# KiCad board FreeDSP_INTEGRA_QUAD-PRO.kicad_pcb (continued)
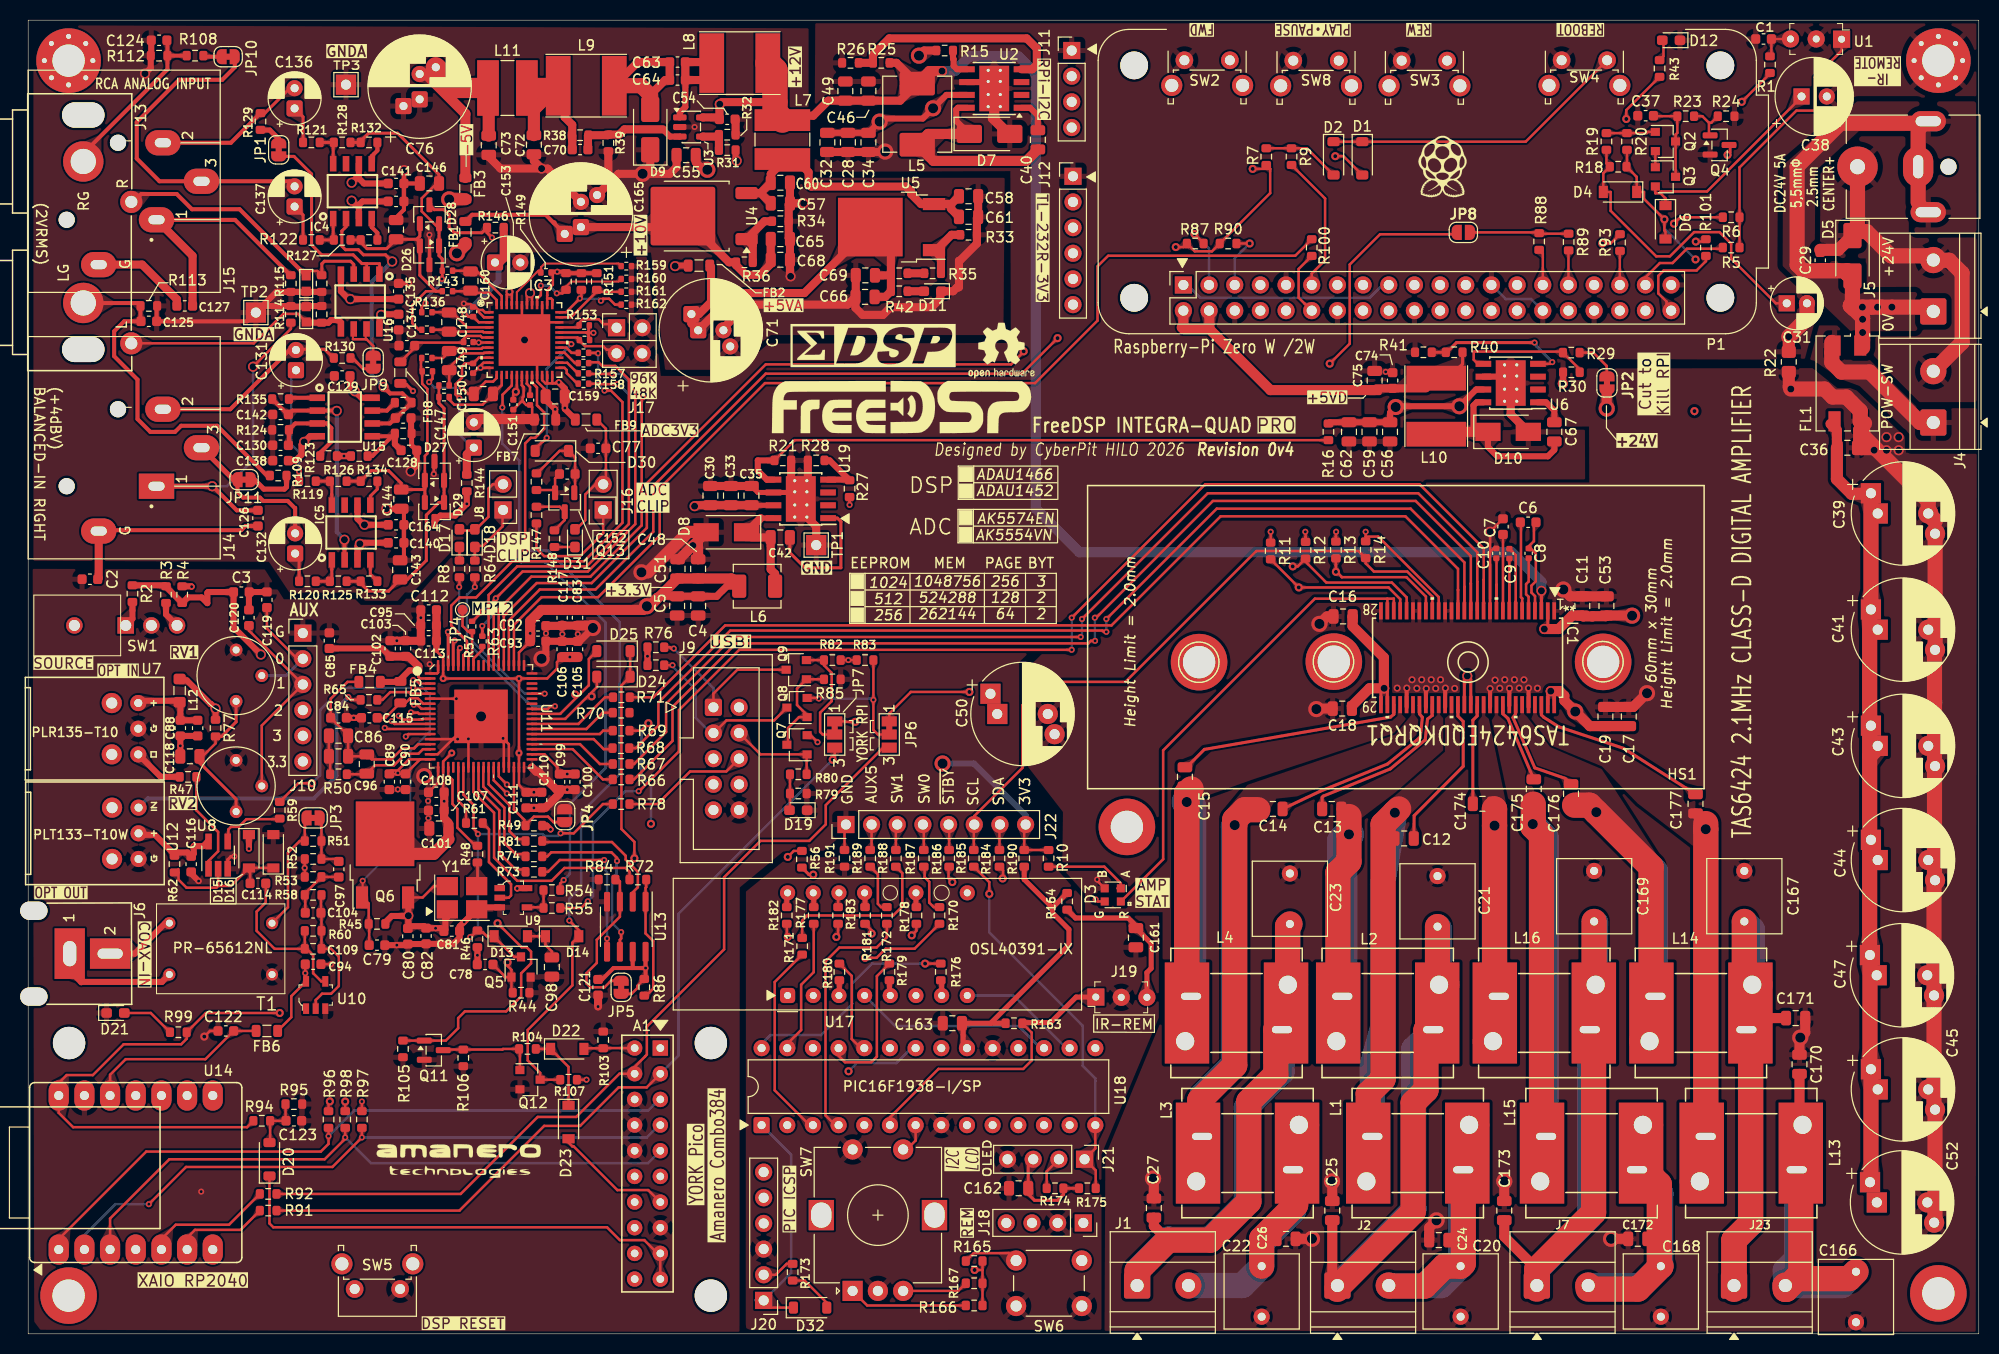
[diagram p0: board, top side]
## Nets (continued)
Net-(IC1-BST_4P): C177.1 IC1.54
Net-(IC1-OUT_1M): C15.1 IC1.32 L4.1
Net-(IC1-OUT_1P): C14.2 IC1.34 L3.1
Net-(IC1-OUT_2M): C13.1 IC1.38 L2.1
Net-(IC1-OUT_2P): C12.2 IC1.40 L1.1
Net-(IC1-OUT_3M): C174.2 IC1.45 L16.1
Net-(IC1-OUT_3P): C175.2 IC1.47 L15.1
Net-(IC1-OUT_4M): C176.2 IC1.51 L14.1
Net-(IC1-OUT_4P): C177.2 IC1.53 L13.1
Net-(IC1-VCOM): C6.2 IC1.6
Net-(IC1-VREG): C8.2 IC1.5
Net-(IC3-AIN1N): C160.1 IC3.48 R143.2
Net-(IC3-AIN1P): C160.2 IC3.47 R142.2
Net-(IC3-AIN2N): C148.1 IC3.4 R136.2
Net-(IC3-AIN2P): C148.2 IC3.5 R137.2
Net-(IC3-AIN3N): C149.2 IC3.9 R139.2
Net-(IC3-AIN3P): C149.1 IC3.8 R138.2
Net-(IC3-AIN4N): C150.1 IC3.13 R140.2
Net-(IC3-AIN4P): C150.2 IC3.14 R141.2
Net-(IC3-AVDD): C154.1 C158.1 FB8.2 IC3.6
Net-(IC3-BICK/DCLK): IC3.25 R158.1
Net-(IC3-CKS0/SDA/CDTI): IC3.31 J17.3 R154.2
Net-(IC3-CKS2/SCL/CCLK): IC3.33 J17.1 R153.2
Net-(IC3-HPFE/DCKS): IC3.44 R149.2 R159.1
Net-(IC3-LRCK/DSDOL1): IC3.26 R157.1
Net-(IC3-SD/PMOD): IC3.36 R152.2 R162.1
Net-(IC3-SDTO1/DSDOL2): IC3.28 R156.1
Net-(IC3-SDTO2/DSDOR2): IC3.29 R155.1
Net-(IC3-SLOW/DCKB): IC3.35 R151.2 R161.1
Net-(IC3-TDM1): IC3.40 R150.2 R160.1
Net-(IC3-VDD18): C157.1 IC3.19
Net-(IC3-VREFH1): C153.1 C155.1 IC3.3 R146.1
Net-(IC3-VREFH2): C147.1 C156.1 IC3.10 R144.1
Net-(IC4-IN+): IC4.8 R121.2 R128.1
Net-(IC4-IN-): IC4.1 R122.2 R127.2
Net-(IC4-OUT+): IC4.4 R131.2
Net-(IC4-OUT-): IC4.5 R132.1
Net-(IC5-IN+): IC5.8 R119.2 R126.1
Net-(IC5-IN-): IC5.1 R120.2 R125.2
Net-(IC5-OUT+): IC5.4 R133.2
Net-(IC5-OUT-): IC5.5 R134.1
Net-(IC5-VCOM): C142.1 IC5.2 R135.1 U15.2
Net-(J1-Pin_1): C23.2 C27.2 J1.1 L4.2
Net-(J1-Pin_2): C22.2 C26.2 J1.2 L3.2
Net-(J2-Pin_1): C21.2 C25.2 J2.1 L2.2
Net-(J2-Pin_2): C20.2 C24.2 J2.2 L1.2
Net-(J7-Pin_1): C169.2 C173.2 J7.1 L16.2
Net-(J7-Pin_2): C168.2 C172.2 J7.2 L15.2
Net-(J9-P4): J9.4 Q7.1 R80.2
Net-(J9-P6): J9.6 R78.1
Net-(J12-Pin_2): J12.2 J12.6
Net-(J13A-Ext1): C124.2 J13.2 R108.2 R112.1
Net-(J13A-In1): J13.1 R117.1 RV4.1 U16.3
Net-(J13B-Ext2): C125.2 J13.4 R109.2 R113.1
Net-(J13B-In2): J13.3 R116.1 RV3.1 U16.5
Net-(J16-Pin_1): J16.1 R147.2
Net-(J19-Pin_3): C161.1 J19.3 R164.2
Net-(J23-Pin_1): C167.2 C171.2 J23.1 L14.2
Net-(J23-Pin_2): C166.2 C170.2 J23.2 L13.2
Net-(JP1-Pad2): JP1.2 R129.2
Net-(JP2-A): JP2.1 R29.1
Net-(JP3-A): C97.1 JP3.1 R51.2 R52.1
Net-(JP3-B): JP3.2 R51.1 T1.4
Net-(JP4-B): JP4.2 R49.2 U11.34
Net-(JP8-B): JP8.2 R88.1 R89.1
Net-(JP9-Pad2): JP9.2 R130.2
Net-(JP10-Pad1): JP10.1 R108.1
Net-(JP11-Pad1): JP11.1 R109.1
Net-(P1-Pin_12): P1.12 R100.1
Net-(P1-Pin_35): P1.35 R93.1
Net-(P1-Pin_40): P1.40 R101.1
Net-(Q2-B): Q2.1 R19.1 R20.2
Net-(Q2-C): C37.2 Q2.3 Q3.3 R23.2
Net-(Q2-E): Q2.2 Q3.1
Net-(Q4-G): Q4.1 R23.1 R24.1
Net-(Q6-B): C79.2 Q6.1 R45.1 U11.3
Net-(Q7-D): Q7.3 Q8.1 Q9.1 R85.2
Net-(Q11-D): Q11.3 Q12.1 R104.2 R106.1
Net-(Q13-D): Q13.3 R147.1 R148.1
Net-(R2-Pad2): R2.2 SW1.1
Net-(R35-Pad2): R35.2 R37.2
Net-(R47-Pad1): R47.1 U8.1
Net-(R59-Pad2): R59.2 U8.4
Net-(R118-Pad2): R118.2 U15.7
Net-(R135-Pad2): R135.2 U15.1
Net-(SW1-4): R3.2 SW1.3
Net-(U1-OUT): R5.2 R6.1 U1.1
Net-(U1-VS): C1.1 R1.2 U1.3
Net-(U2-BOOT): C40.1 U2.1
Net-(U2-EN): R15.2 U2.5
Net-(U2-VSENSE): R25.2 R26.1 U2.4
Net-(U3-NFB): C70.1 R38.2 R39.1 U3.3
Net-(U3-SW): C63.2 C64.2 L8.1 U3.1
Net-(U3-~{SHDN}): R31.1 R32.2 U3.4
Net-(U4-ADJ): R34.2 R36.2 U4.1
Net-(U4-VI): C57.1 C58.1 C60.1 C61.1 L7.1 U4.3 U5.3
Net-(U4-VO): C65.1 C68.1 C165.1 FB1.1 R36.1 U4.2
Net-(U5-ADJ): R33.2 R35.1 U5.1
Net-(U5-VO): C66.1 C69.1 C71.1 FB2.1 R37.1 R42.1 U5.2
Net-(U6-BOOT): C67.1 U6.1
Net-(U6-EN): R29.2 R30.1 U6.5
Net-(U6-VSENSE): R40.2 R41.1 U6.4
Net-(U7-RX): R47.2 U7.3
Net-(U7-VCC): C87.1 C88.1 L12.1 U7.1
Net-(U9-A): R61.1 U9.2
Net-(U9-Y): R54.1 R55.1 U9.4
Net-(U10-A): C104.2 C109.2 R58.2 R60.1 U10.2
Net-(U10-Y): C109.1 C114.1 R60.2 U10.4
Net-(U11-AVDD): C115.1 FB5.2 U11.7
Net-(U11-BCLK_IN2): R63.2 U11.65
Net-(U11-BCLK_OUT0): R67.2 U11.40
Net-(U11-BCLK_OUT1): R70.2 U11.43
Net-(U11-CLKOUT): R61.2 U11.23
Net-(U11-LRCLK_OUT0/MP4): R66.2 U11.39
Net-(U11-LRCLK_OUT1/MP5): R69.2 U11.42
Net-(U11-MOSI_M/MP1): R73.2 U11.27
Net-(U11-PLL_FILT): C96.1 R50.2 U11.16
Net-(U11-PVDD): C84.1 C86.2 C91.2 C96.2 FB4.2 U11.15
Net-(U11-SCL_M/SCLK_M/MP2): R74.2 U11.28
Net-(U11-SDATA_OUT0): R68.2 U11.41
Net-(U11-SDATA_OUT1): R71.2 U11.44
Net-(U11-SPDIF_OUT): R65.1 U11.5
Net-(U11-SS_M/MP0): R72.2 U11.26
Net-(U11-XTALIN/MCLK): R48.1 U11.21
Net-(U13-MISO): R81.1 U13.2
Net-(U13-~{WP}): JP5.1 R84.1 U13.3
Net-(U14-3V3): C122.2 FB6.1 U14.12
Net-(U14-D4/SDA): R92.1 U14.5
Net-(U14-D5/SCL): R91.1 U14.6
Net-(U15A-+): C138.1 R123.2 R124.1 U15.3
Net-(U15B-+): C128.1 R110.2 R111.1 U15.5
Net-(U16A--): JP1.1 U16.1 U16.2
Net-(U16B--): JP9.1 U16.6 U16.7
Net-(U18-COM2/DACOUT/C2IN+/VREF-/AN2/RA2): R172.1 U18.4
Net-(U18-RB0/AN12/CCP4/CPS0/SRI/INT/SEG0): R183.2 U18.21
Net-(U18-RB1/AN10/C12IN3-/P1C/CPS1/VLCD1): R182.2 U18.22
Net-(U18-RB2/AN8/P1B/CPS2/VLCD2): R181.2 U18.23
Net-(U18-RB3/AN9/C12IN2-/CPS3/CCP2/P2A/VLCD3): R180.2 U18.24
Net-(U18-RB4/AN11/P1D/CPS4/COM0): R179.2 U18.25
Net-(U18-RB5/AN13/P2B/CCP3/P3A/CPS5/T1G/COM1): R178.2 U18.26
Net-(U18-SEG7/C12IN1-/AN1/RA1): R171.1 U18.3
Net-(U18-SEG15/COM3/C1IN+/VREF+/AN3/RA3): R56.1 U18.5
Net-(U18-VCAP/*SS/SEG12/SRNQ/C2OUT/C12IN0-/AN0/RA0): R170.1 U18.2
Net-(U19-BOOT): C42.1 U19.1
Net-(U19-EN): R16.2 R21.1 U19.5
Net-(U19-VSENSE): R27.2 R28.1 U19.4
Net-(Y1-OUT): R48.2 Y1.3

Pads without a net: A1 6 16 17 18 19 20; H1 1; H2 1; H3 1; H4 1; H5 1; H6 1; IC3 15 27; IC4 7; IC5 7; J9 2 5 7 8 9; J12 3; J20 6; R70 1; SW1 MH1; SW7 MP; U2 2 3; U6 2 3; U9 1; U10 1; U11 22 48 49 51 52 63 64; U14 4 7 8 9 10 11; U17 9; U19 2 3

## Via types
v1: diameter 0.6, hole 0.3, Top to Bottom, 143 vias
v2: diameter 1, hole 0.7, Top to Bottom, 52 vias
v3: diameter 1.6, hole 1, Top to Bottom, 39 vias
v4: diameter 0.8, hole 0.4, Top to Bottom, 50 vias
v5: diameter 0.7, hole 0.4, Top to Bottom, 21 vias
v6: diameter 0.7, hole 0.3, Top to Bottom, 5 vias

## Routing (per net, layer and track width the routed paths; a pad name or vN(x,y) marks a point on that pad's centre or on a via; arc(x,y) is an arc through that point)
+3.3V: length 188
  Top w0.25: C93.2 48.56,67.43 U11.56 ; 139.57,71.53 139.57,72.91 133.58,78.9 132.34,78.9 ; 24.67,29.97 26.03,31.34 26.03,33.41 U10.5 27.42,34.96 v1(27.42,35.69) C94.2 ; 126.39,78.86 R12.1 126.39,78.86 ; 126.39,78.86 126.39,79.35 v1(126.37,79.38) ; Q6.3 39.03,43.18 40.15,44.3 Y1.4 ; JP5.2 59.7,33.64 60.27,34.21 60.27,34.43 60.96,35.12 ; 14.81,47.63 R62.1 ; 37.63,67.04 37.34,67.04 ; 56.25,90.47 57.16,89.56 C77.2 57.16,84.34 J16.2 56.13,84.07 55.12,83.06 55.12,80.52 54.1,79.5 ; 132.34,78.66 R14.1 132.34,78.66 132.34,78.66 ; 132.34,78.66 132.34,78.9 ; v1(129.41,79.38) 129.39,79.35 129.39,78.87 ; R82.2 v1(81.15,66.67) R83.1 ; 132.34,78.9 132.34,79.37 v1(132.33,79.38) ; v1(38.61,65.66) 38.61,65.02 38.77,64.85 U11.2 ; U11.38 51.08,57.35 52.38,56.06 52.38,55.6 C99.1 ; J22.8 98.55,50.26 R190.2 R10.2 ; 42.67,79.5 44.2,79.5 45.54,80.85 45.54,83.64 45.97,84.07 J8.2 ; 38.77,56.84 38.78,56.85 ; 38.77,56.84 38.78,56.85 ; 38.77,56.84 37.67,56.84 36.58,55.75 35.94,55.75 35.74,55.55 C89.1 35.78,55.37 36.45,55.37 v1(36.58,55.5) 36.66,55.41 C90.2 38.77,56.84 ; 38.78,56.85 U11.18 ; Q7.2 77.41,59.24 v1(78.1,58.55) ; 129.39,78.87 R13.1 129.39,78.87 129.39,78.87 ; C80.2 37.57,40.72 37.62,40.77 ; R11.1 v1(122.94,79.38) ; R107.1 v1(55.25,25.15) ; v1(81.27,82.03) 81.27,82.16
  Top w0.3: 81.27,82.16 R27.1
  Top w0.4: 60.96,35.12 61.09,35.24 v1(61.09,36.19) ; v1(61.09,36.19) 59.75,36.19 ; v1(61.09,36.19) 61.09,37.81 ; 59.75,36.19 57.91,36.19 56.78,35.06 C121.2 ; 59.75,36.19 59.82,36.26 59.82,37.81
  Top w0.6: 35.81,67.04 35.03,67.83 C85.2 ; R46.2 v1(44.45,37.47) 44.45,36.56 C78.1 ; v1(51.69,49.91) 51.31,50.29 R49.1 ; v2(37.62,41.38) 37.59,41.35 35.97,41.35 35.34,40.73 35.34,40.56 ; v2(37.62,41.38) 37.62,43.16 Q6.3 ; v2(37.62,41.38) 37.62,40.17 37.78,40.34 39.18,40.34 39.37,40.14 40.84,40.14 41.14,39.85 41.28,39.99 41.28,41.05 41.48,41.25 Y1.1 ; v1(48.39,44.07) 48.42,44.1 U9.5 ; R75.2 v1(61.28,67.06) R76.1 ; v1(38.61,65.66) 37.72,65.66 36.83,64.77 36.83,64.55 36.8,64.52 34.83,64.52 ; 14.99,64.68 L12.2 15.12,64.67 15.7,64.67 18.04,62.32 18.09,62.32 v2(18.54,61.87) R77.2 ; R4.1 16.14,73.98 v1(16.18,73.94) ; U12.2 11.07,49.38 12.55,49.38 14.29,47.63 15.75,47.63 C116.2 16.38,47.51 v1(16.38,48.26) 17.31,48.26 17.78,48.72 U8.5 ; v1(21.84,48.01) D15.1
  Top w0.7: L6.1 69.13,73.99 68.12,72.98 C4.2 C5.1 62.2,72.98 v3(61.22,72)
  Top w0.8: v1(38.61,65.66) 38.61,66.07 37.63,67.04 ; C99.1 v1(53.34,55.4) C100.2 ; R15.1 88.65,127 v3(88.14,126.49) ; 35.81,67.04 37.34,67.04
  Top w1: C93.2 v1(49.67,69.32) C92.1 49.67,70.53 50.78,71.64 C117.1 C83.2 60.85,71.64 v3(61.22,72) 61.51,72 C51.1 C48.2 69.59,74.75 L6.1
  Bottom w0.6: J22.8 98.69,51.32 93.57,56.44 v3(90.47,56.44)
  vias: v1(40.31,40.13)
+3.3VP: length 111.2
  Top w0.25: R1.1 172.34,124.71 v4(169.54,121.92) ; 122.89,115.29 R7.1 ; 122.89,115.29 122.89,112.89 R90.1 117.13,107.13 115.42,107.13 R87.2 114.3,107.55 v4(113.55,107.55) ; 122.89,115.29 v4(121.16,115.29)
  In1.Cu w0.25: P1.1 114.3,104.93 113.55,105.67 v4(113.55,107.55)
  In2.Cu w0.25: J11.2 105.04,124.46 114.22,115.29 v4(121.16,115.29) ; v4(169.54,121.92) 169.42,122.05 151.76,122.05 134.62,104.9 P1.17
  Bottom w0.25: P1.17 134.01,103.8 132.74,102.53 115.97,102.53 114.7,103.8 P1.1
+5V: length 95
  Top w0.25: R43.1 158.12,121.1 v4(158.12,120.22)
  Top w0.3: 139.32,94.58 140.53,94.58 141.92,95.97 R40.1
  Top w0.6: 138.31,93.57 139.32,94.58 ; 133.4,93.57 C75.1 ; 116.87,101.23 P1.4
  Top w0.8: 138.31,93.57 C74.2 133.4,93.57
  Top w1: 116.87,99.44 122.91,93.39 C75.1 ; 116.87,99.44 114.3,99.44 114.15,99.59 114.3,99.75 P1.2 ; 116.87,99.44 116.87,101.23
  In2.Cu w0.25: P1.4 116.84,100.97 118.62,99.19 134.2,99.19 135.94,100.93 135.94,104.8 137.5,106.36 144.26,106.36 v4(158.12,120.22)
+5VA: length 20.1
  Top w0.3: v1(38.08,93.29) 37.42,93.95 36.94,93.95 FB8.1 ; v1(45.9,108.48) 45.4,108.98 R146.2 44.89,108.97 42.16,108.97 41.66,109.47 41.66,110.74 41.15,111.25 40.19,111.25 D28.3 39.7,111.17
  Top w0.6: R123.1 v1(31.24,86.87) R110.1 ; FB2.2 64.06,105.72 v2(64.01,105.66) ; R144.2 v1(43.4,82.14) 42.24,80.98 40.78,80.98 D29.3 ; R31.2 69.99,116.19 v2(70.1,116.08)
+10V: length 18.8
  Top w0.25: IC5.3 32.59,77.27 32.58,77.27
  Top w0.6: C140.2 32.92,78.28 v2(32.82,78.18) 32.58,77.95 32.58,76.59 ; 32.72,111.71 32.43,111.71 v2(32,112.14) ; 32.72,111.71 IC4.3 ; 32.72,111.71 33.07,112.06 C139.2 ; U16.8 34.75,100.67 v2(34.92,100.84) 34.99,100.9 C134.2 ; C129.2 31.84,93.76 v2(32.32,93.28) 32.97,92.63 U15.8
  Top w1.2: v3(42.42,106.93) 43.26,107.78 FB1.2
+12V: length 156.4
  Top w0.25: 149.73,72.53 149.73,71.53
  Top w0.3: v2(149.73,73.53) 149.73,71.53
  Top w0.8: U3.5 68.21,120.38 68.22,120.36 ; C54.1 68.39,121.66 v2(68.43,121.69) 68.63,121.89 73.9,121.89 ; C54.1 68.22,120.36 ; C54.1 68.22,120.36 ; R25.1 85.91,125.78 L5.1 86.28,122.04 C46.2 C49.1 79.16,122.04 77.67,120.55 75.06,120.55 L7.2 ; v3(67.2,115.2) 66.8,115.2 66.06,115.94 66.06,116.64
  Top w1: v2(90.42,124.97) 89.15,124.97 87.97,123.78 L5.1
  Top w2.5: L8.2 73.9,125.04 73.9,120.84 L7.2
  In2.Cu w0.8: v3(67.2,115.2) 67.2,117.85 68.45,119.1 68.45,121.67 v2(68.43,121.69)
  Bottom w1: v2(90.42,124.97) 91.69,124.97 93.17,126.44 97.97,126.44 99.69,124.71 99.69,81.66 104.01,77.34 146.81,77.34 149.73,74.43 v2(149.73,73.53)
+24V: length 294.9
  Top w0.25: 156.21,93.21 JP2.2 ; C52.1 182.24,15 ; 150.36,71.52 150.36,71.52 ; D6.2 162,109.08 161.9,109.18 v4(161.9,110.29) 159.88,112.31 159.88,113 D4.1 159.15,114.5 R18.1 158.19,115.54 R20.1 ; FL1.4 178.4,89.97 ; C36.1 179.05,88.46 178.96,88.55
  Top w0.3: IC1.42 142.1,64.81 v2(142.39,65.1) 142.74,64.76 IC1.43 ; v2(150.01,69.75) 150.36,70.09 IC1.2 ; IC1.55 150.36,63.31 v2(150.65,63.6) 150.99,63.26 IC1.56 ; IC1.30 134.48,63.56 v2(134.16,63.88) 133.85,63.56 IC1.29
  Top w0.5: C35.2 71.58,81.99 U19.7
  Top w0.6: 92.88,122.61 90.86,122.61 v3(89.53,121.28) 88.52,120.27 84.55,120.27 v3(84.25,119.97) C34.2 C28.1 C32.1 ; R16.1 128.78,90.21 C62.2 C59.1 C56.1 134.75,91.16 v3(135.31,91.72) 135.38,91.8 v3(141.6,91.8) 143.26,93.45 U6.7
  Top w0.8: v2(65.94,81.9) 66.03,82 C30.1 C33.1 C35.2
  Top w1: v2(150.65,63.6) 151.54,63.6 151.99,63.14 151.99,62.66 v3(153.07,61.58) 154.52,60.14 C19.1 C17.1 ; v3(156.19,91.57) 156.19,93.18 156.21,93.21 ; C16.1 131.05,70.98 131.04,70.97 131.04,70.03 134.14,66.93 134.14,63.91 v2(134.16,63.88) 132.71,63.88 130.97,62.14 C18.1 ; 178.96,87.68 178.96,89.42 178.4,89.97 178.33,90.05 ; v2(150.01,69.75) 151.43,69.75 152.77,71.08 C11.1 153.86,70.99 154.76,70.99 154.79,71.02 156.09,71.02 C53.2 158.68,71.08 v3(158.7,71.07)
  Top w1.2: 178.96,87.68 178.96,84.59 180.42,83.13 182.46,83.13
  Top w1.5: 182.24,15 182.33,15.09 C45.1 182.23,26.28 C47.1 ; 182.2,57.16 182.2,37.34 ; 182.2,57.16 182.2,71.32 182.33,71.45 C39.1 ; 182.2,57.16 183.09,58.05
  In2.Cu w0.25: v4(164.97,106.32) 164.87,106.22 v4(164.87,91.31)
  In2.Cu w1: 181.71,71.07 C41.1
  In2.Cu w3: C39.1 183,82.51 C41.1 C43.1 C44.1 182.9,46.78 C47.1 183,35.38 C45.1 182.91,24.09 C52.1 ; v3(158.7,71.07) 181.71,71.07
  Bottom w0.25: 164.87,90.99 v4(164.87,91.31) ; v4(164.97,106.32) 161.9,109.4 v4(161.9,110.29)
-5VA: length 24.6
  Top w0.25: 32.58,81.33 32.59,81.33 IC5.6
  Top w0.6: U16.4 30.94,103.17 31.71,102.4 v2(31.88,102.4) C135.2 ; 32.72,114.35 32.72,115.79 ; 32.72,114.35 33.22,113.84 C141.2 ; 32.72,114.35 32.43,114.35 v2(32,113.92) ; 32.58,82.01 32.58,80.65 33.17,80.06 v2(33.27,80.06) C164.1 ; C130.2 26.47,86.41 26.73,86.68 27.05,87 27.05,88.01 v2(27.31,88.27) 27.86,88.82 28.61,88.82
  Top w1.2: v3(41.66,112.27) 41.67,112.28 43.26,112.28
/YAM_DSP-ADC_IO/DVDD: length 89.5
  Top w0.25: 48.57,64.85 48.56,64.85 ; 48.57,64.85 48.56,64.85 ; 48.57,64.85 U11.53 51.35,64.85 52.32,65.82 52.32,66.47 C106.2 ; 48.56,64.85 v6(48.56,64.84) v6(48.56,57.48) U11.35 48.56,54.31 C111.2 ; 48.56,64.85 v6(41.06,64.85) U11.71 41.06,66.89 40.41,67.54 40.41,67.69 40.4,67.7 ; v6(41.91,57.48) 41.06,56.63 U11.20 41.06,53.69 C108.2
  Top w0.6: 40.4,67.7 C113.2 ; C101.2 41.59,50.61 ; 37.29,47.5 Q6.2 ; 41.15,51.78 C107.1
  Top w0.8: C111.2 v1(50.04,53.59) C110.1 ; 41.15,51.78 41.15,51.05 41.59,50.61 ; C112.1 C95.2 C113.2 ; C108.2 v6(41.16,52.7) C107.1
  Top w1: C101.2 41.59,48.96 ; C105.1 v1(53.59,66.97) C106.2
  Top w1.2: 37.29,47.5 40.13,47.5 41.59,48.96
  In2.Cu w0.8: v6(41.91,57.48) v6(48.56,57.48) ; v6(41.91,57.48) 41.26,57.48 41.16,57.38 v6(41.16,52.7) ; v6(41.91,57.48) 41.06,58.33 v6(41.06,64.85) ; v6(48.56,57.48) v6(48.56,64.84) ; v6(48.56,57.48) 48.56,55.09 48.51,55.04 49.96,53.59 v1(50.04,53.59)
  In2.Cu w1: v6(48.56,64.84) 52.04,64.84 53.59,66.39 v1(53.59,66.97)
/YAM_DSP-ADC_IO/VBUS: length 88.2
  Top w0.25: R94.2 21.65,20.45 4.44,20.45 3.02,21.87 U14.14 3.02,24.82 3.81,25.6 6.4,25.6 9.45,28.65 15.14,28.65 15.68,29.2 R99.1 17.59,31.75 v4(24.89,31.75)
  In2.Cu w0.25: v4(24.89,31.75) 25.91,30.73 35.18,30.73 37.41,28.5 57.89,28.5 58.85,29.46 61.49,29.46 62.55,28.41 A1.1
GND: length 196.6
  Top w0.25: C152.2 52.14,84.66 52.14,83.35 51.98,83.5 R145.2 ; U11.72 40.56,65.45 40.46,65.35 U11.1 ; 50.85,100.1 v2(49.11,98.36) IC3.49 ; 50.85,100.1 52.56,100.1 ; 50.85,100.1 IC3.39 ; IC3.43 48.85,98.6 IC3.49 ; 42.01,58.85 44.26,61.1 v3(44.81,61.1) ; 42.01,58.85 v1(42.49,58.85) 42.56,58.85 43.56,59.85 ; 42.01,58.85 40.51,57.35 U11.17 ; 42.01,58.85 U11.14 ; J22.1 80.77,50.26 R191.2 ; 47.06,58.85 v1(46.99,58.93) ; 47.06,58.85 47.56,58.35 U11.33 ; 47.06,58.85 v1(46.99,58.93) ; 47.06,58.85 U11.32 ; v1(46.99,58.93) v3(44.81,61.1) ; v1(46.99,58.93) v3(44.81,61.1) ; R52.2 27.36,46.98 v1(27.36,46.1) 27.37,46.09 R53.2 ; IC3.49 50.35,97.1 IC3.21 50.35,94.24 51.2,93.39 51.2,92.4 ; v3(44.81,61.1) 43.56,59.85 ; v3(44.81,61.1) 43.56,59.85 ; v3(44.81,61.1) 43.06,62.85 v1(42.37,62.85) U11.6 ; 28.97,36.58 v1(29.97,36.58) ; 43.56,59.85 v1(43.56,58.88) U11.25 ; C122.1 17.98,29.97 v4(17.42,29.41) ; 39.61,53.59 40.56,54.54 U11.19
  Top w0.3: v1(20.4,47.24) 20.07,47.24 19.75,46.92 U8.3
  Top w0.5: C35.1 72.21,83.26 U19.6 75.81,83.26 U19.9
  Top w0.6: C87.2 C88.2 v1(15.06,58.19) 15.06,57.15 C118.2 ; C120.2 21.84,73.38 C3.2 23.61,73.41 C119.2 ; 51.2,92.4 51.31,92.29 51.34,92.29 v1(52.15,91.49) 52.15,90.63 52.19,90.59 52.19,90.47 ; U9.3 44.58,42.2 Y1.2 v1(43.15,40.78) 42.69,40.31 C81.1 42.69,39.2 42.08,38.59 C82.1 39.34,38.57 37.57,38.57 C80.1 37.46,38.46 v1(36.47,38.46) C79.1 ; 92.88,123.88 94.95,123.88 U2.9 ; C115.2 v1(32.21,60.96) C84.2 ; U6.9 146.05,94.72 U6.6 ; R30.2 151.87,94.06 v2(151.84,94.03) ; v1(16.87,44.81) 16.13,45.54 C116.1
  Top w0.7: v3(55.88,69.85) 54.56,68.53 C105.2 C106.1 52.82,68.54 C93.1 51.22,67.22 v3(50.8,66.8)
  Top w0.8: C111.1 v1(50.04,52.04) C110.2 51.16,52.04 52.58,53.47 C99.2 ; U19.9 77.97,79.9 TP1.1 ; C99.2 52.27,53.85 50.5,55.63 50.27,55.63 v1(49.84,56.06) ; C99.2 v1(53.34,53.85) C100.1 ; C121.1 v1(56.39,32.38) ; R28.2 77.15,83.33 U19.9 75.49,83.58 R21.2 ; C92.2 52.8,70.06 ; C30.2 C33.2 C35.1 ; C102.2 v1(36.47,68.59) C103.1 37.35,68.58 C113.1 C95.1 v1(38.85,70.87) C112.2 ; D10.2 146.69,91.01 U6.9 ; C117.2 C83.1 ; v3(84.8,117) 84.76,116.96 C34.1 C28.2 C32.2
  Top w1: v3(55.88,69.85) 55.64,70.09 C83.1 ; C48.1 66.29,78.53 ; 66.29,78.53 D8.2 66.29,78.53 ; 66.29,78.53 v2(65.77,78.01) 64.41,76.65 C51.2 ; D7.2 97,118.75 95.45,120.29 95.59,120.43 U2.9 ; 52.8,70.06 C117.2
  Top w1.2: R22.1 v2(174.2,98.68) ; D8.2 67.04,79.36 65.33,79.36 61.32,75.36 v3(60.68,75.36)
  Top w1.5: v2(174.2,98.68) 175.39,99.88 176,100.48 176,102.05
  Bottom w0.25: U19.9 U19.9 ; U2.9 U2.9 ; 144.8,103.8 146.2,102.4 148.72,102.4 P1.30
  vias: v1(17.12,14.07) v1(36.58,53.87) v1(39.57,52.73) v1(39.6,51.03) v1(39.73,66.27) v1(51.23,69.32) v1(52.86,69.24) v1(54.38,69.24) v1(134.31,95.2) v3(39.19,55.19)
GNDA: length 158.6
  Top w0.25: IC3.7 v1(44.58,98.1) 44.09,98.1 44.04,98.15 ; 48.92,92.32 49.05,92.19 49.05,92.15 49.28,91.92 49.65,91.92 C157.2 49.87,91.72 49.87,90.69 50.09,90.47 ; 48.92,92.32 48.92,92.68 49.02,92.78 49.02,93.7 48.84,93.88 48.84,94.34 48.85,94.35 IC3.18 ; 48.92,92.32 48.86,92.32 C151.1 ; 45.65,96.1 45.05,96.1 44.55,95.6 ; 44.55,95.6 v1(44.75,95.6) IC3.12 ; 44.55,95.6 C156.2 ; v1(40.13,85.09) 40.13,86.27 D27.3 ; IC3.2 45.12,100.6 45.11,100.61 45.09,100.61 44.55,101.15 44.55,101.32 ; 44.55,101.32 44.25,101.62 C155.2 44.02,101.65 43.77,101.9 43.16,101.9 v1(43.1,101.96) ; 44.55,101.32 44.98,101.32 45.2,101.1 IC3.1
  Top w0.3: D26.3 39.7,105.8 v1(39.7,108.76)
  Top w0.4: v2(37.19,115.16) 37.18,115.16 C141.1 ; C144.1 37.18,81.38 C164.2 C140.1 37.18,76.93 C143.2 ; C135.1 37.66,103.95 v1(37.69,103.99) ; C145.2 36.4,110.47 37.18,111.24 C139.1 C141.1 ; C141.1 C146.1 ; TP2.1 21.67,100.2 12.71,100.2 12.71,101.68 R113.2
  Top w0.5: R111.2 37.93,87.94 C128.2
  Top w0.6: v2(35.43,81.66) 35.44,81.65 C144.1 ; 12.18,128.02 12.18,126.54 R112.2 12.13,125.29 v2(11.56,124.71) ; v2(37.85,85.34) 38.45,85.95 C128.2 ; R116.2 27.58,101.71 RV3.2 26.05,101.65 R114.2 23.18,101.71 TP2.1 24.58,103.11 R115.2 27.45,103.11 RV4.2 27.58,103.11 R117.2 ; C133.2 37.88,89.15
  Top w0.8: C69.2 81.88,102.65 C66.2 ; v2(76.73,111.89) 76.73,111.88 C57.2 ; C165.2 51.4,115.32 v2(50.8,115.32) ; v3(60.8,114.8) 61.55,115.55 D9.1 ; v3(60.8,114.8) 63.49,114.8 64.16,115.46 C55.2 ; v3(60.8,114.8) 58.4,114.8 C165.2 57.4,113.81 R39.2 ; C72.2 50.04,116.08 v2(50.8,115.32) ; v2(50.8,115.32) 46.74,115.32 45.57,116.48 C73.2 ; C71.2 68.79,99.53 71.12,101.85 81.09,101.85 C66.2 ; 94,112.57 94,110.54 93.87,110.42 R33.1 93.87,107.89 92.17,106.19 92.09,106.19 92.09,103.59 92.06,103.56 91.9,103.56 91.52,103.17 90.25,103.17 90.25,102.44 89.41,101.6 v2(85.34,101.6) 84.58,100.84 82.55,100.84 81.85,101.53 C66.2 ; v2(75.44,104.65) 75.38,104.71 C68.2 C65.2 75.25,108.45 R34.1 75.25,111.76 C57.2 ; R32.1 69.99,120.14 C54.2 ; C57.2 C60.2
  Top w1: 50.09,90.47 50.03,90.53 44.43,90.53 C147.2
  vias: v1(65.94,119.43)
GNDS: length 305.7
  Top w0.25: C7.1 v2(144.65,79.38) 144.65,77.37 ; v1(105.77,44.96) 105.77,44.83 D3.2 ; 144.65,77.37 145,77.72 C10.1 145.26,77.72 ; 144.65,77.37 144.65,71.53
  Top w0.4: 146.55,62.18 146.55,63.86 v5(146.56,63.87) ; v5(144.64,63.86) 144.65,63.86 144.65,62.03 ; v5(148.44,63.9) 148.46,63.89 148.46,62.03 ; v5(138.33,63.86) 138.3,63.82 138.3,62.03 ; 136.39,62.03 136.39,63.88 v5(136.41,63.9) ; v5(140.22,63.9) 140.2,63.88 140.2,62.03
  Top w1: v3(129.01,15.09) 129.03,15.06 C25.1 ; C24.1 138.62,10.51 v3(139.34,11.23) ; C172.1 v3(156.62,9.4) ; v3(160.17,63.4) 158.81,62.04 C17.2 C19.2 ; 181.06,87.76 181.06,89.48 181.69,90.11 ; 181.06,87.76 181.38,87.45 v2(182.65,87.45) ; 181.06,87.76 181.06,87.7 ; v3(111.3,15.37) 111.38,15.29 C27.1 ; C18.2 127.51,61.87 v3(127.46,61.82) ; C170.1 175.26,29.24 v3(175.34,29.31) 175.83,29.8 C171.1 ; C26.1 v3(127.03,9.4) ; C16.2 128.5,70.99 v3(127.76,70.26) ; C53.1 C11.2 152.57,72.98 v3(151.89,73.66) ; C173.1 v3(146.05,15.09)
  Top w1.2: 181.69,90.11 181.69,89.92 ; R22.2 174.2,93.7 v2(174.4,93.5)
  Top w1.5: C39.2 188,82.41 181.5,88.91 181.5,90.11 ; 187.98,81.1 188.67,80.41 188.67,80.53 187.98,81.22 ; 188.68,79.13 188.68,67.76 188.62,67.7 188.62,44.96 188.57,44.92 188.57,22.28 C45.2 188.67,11.09 C52.2 ; v2(174.4,93.5) 177.74,93.5 178.53,92.71 179.89,92.71 181.27,91.33 FL1.3 181.46,90.11 181.5,90.11 ; 181.5,90.11 181.69,90.11
  In2.Cu w1.5: 187.91,9.2 180.85,2.13 C166.1 ; 188,13.09 C52.2 ; 188,35.58 C47.2 ; 187.9,24.28 C45.2
  In2.Cu w2: C52.2 188.58,12.33 C52.2 187.91,9.2
  In2.Cu w2.5: 180.85,1.45 180.61,1.69 C168.1 C20.1 C22.1
  In2.Cu w3: 188,35.58 C44.2 C43.2 C41.2 C39.2 ; C45.2 188,13.09 ; C39.2 188.77,79.28 188.77,82.96 184.71,87.02 184.71,88.04 184.53,87.86 183.06,87.86 183.03,87.88 ; C47.2 187.9,24.28
  Bottom w0.434: 188.65,63.52 188.66,63.51 188.66,62.5
  Bottom w1.5: 188.67,62.5 188.66,62.5
  vias: v2(183.87,88.74) v2(183.87,87.44) v2(185.07,88.74) v2(185.07,87.44) v5(135.45,63.9) v5(136.92,64.73) v5(137.4,63.88) v5(137.88,64.73) v5(138.82,64.73) v5(139.27,63.87) v5(139.74,64.73) v5(141.14,63.87) v5(145.14,64.69) v5(145.61,63.88) v5(146.1,64.72) v5(147.06,64.72) v5(147.53,63.9) v5(148,64.72) v5(149.33,63.89)
VDD: length 48.9
  Top w0.25: R173.2 75.04,6.92 73.96,5.84 J20.2 ; R166.1 R167.1 94.43,6.32 ; 94.43,6.32 R165.1 ; 94.43,6.32 v4(93.64,6.32) ; C163.1 92.39,29.61 92.51,29.49
  Top w0.3: J21.3 98.95,16.78 C162.2 98.95,13.83 99.57,13.21 101.85,13.21 102.43,13.78 R174.1 R175.1
  Top w0.5: 101.35,42.17 98.55,44.97 R190.1 ; 101.35,42.17 101.35,41.66 102.98,40.03 102.98,38.48 95.23,30.73 ; 101.35,42.17 R164.1 ; 92.71,28.27 92.51,28.47 92.51,30.66 92.58,30.73 95.23,30.73 ; 95.23,30.73 R163.1
+VSW: length 47.3
  Top w0.25: D20.1 23.88,10.92 24.26,10.54 57.28,10.54 58.55,9.27 60.96,9.27 62.28,7.96 A1.9 A1.10
  Top w0.4: 23.8,15.54 D20.1
/Audio_ADC/ADC_3V3: length 31.4
  Top w0.25: 51.35,102.46 51.35,102.79 51.36,102.79 51.36,103.2 51.37,103.19 51.37,103.29 51.91,103.83 51.91,104.86 51.83,104.94 ; 51.35,102.46 51.74,102.46 51.89,102.31 51.85,102.27 IC3.37 ; 51.35,102.46 51.35,101.8 ; 52.56,99.1 IC3.32 55.23,99.1 55.27,99.06 ; 55.45,98.69 55.45,98.88 55.27,99.06 ; 55.45,98.69 55.45,98.5 ; 55.45,98.69 55.45,98.37 55.48,98.35 R154.1 ; IC3.24 51.85,94.1 51.89,94.06 ; 55.27,99.06 55.45,99.24 55.45,99.52 ; 55.27,99.06 v1(55.93,99.06) ; 51.83,104.94 R149.1 51.83,104.94 ; C151.2 48.01,92.98 v4(48.25,93.23) 48.35,93.33 48.35,94.89 ; 49.85,101.8 49.85,102.55 49.66,102.74 v2(49.66,103) 49.35,102.69 IC3.42 ; IC3.45 47.85,102.9 v4(47.62,103.12) 47.35,102.85 IC3.46 ; 51.38,94.06 51.89,94.06 ; 51.38,94.06 51.18,94.06 50.85,94.38 IC3.22 ; 51.38,94.06 51.35,94.09 51.35,94.89 ; 51.89,94.06 52.17,94.06 52.27,94.16 v1(52.5,94.16) ; R153.1 55.45,99.72 55.45,99.52 ; 55.45,99.52 55.45,99.8
  Top w0.4: R151.1 R152.1 R150.1 53.07,105.11 v1(52.35,105.11) 52,105.11 51.92,105.03 R149.1
  Top w0.6: 54.15,90.47 53.1,91.52 v1(53.1,91.62) C159.1 53.1,93.56 v1(52.5,94.16)
/Audio_ADC/ADC_BIAS: length 31.1
  Top w0.25: 37.45,91.66 R118.1
  Top w0.3: v2(36.02,106.12) 35.36,106.78 33.17,106.78 32.66,107.29 31.39,107.29 31.04,107.65 31.04,109.14 31.45,109.56 IC4.2
  Top w0.4: U15.6 35.8,90.09 C133.1 36.41,90.63 R118.1 37.02,93.07 35.81,93.07 v2(35.17,93.71)
  Bottom w0.4: v2(36.02,106.12) 33.98,104.09 33.98,94.89 v2(35.17,93.71)
/Audio_ADC/LEFT_COLD: length 33.7
  Top w0.25: 26.11,113.81 C137.2
  Top w0.4: C137.2 25.86,114.06 J15.3 12.99,114.06 10.74,116.31 10.74,119.91 14.94,124.1 19.2,124.1 20.45,125.35 20.45,126.38 JP10.2
/Audio_ADC/LEFT_HOT: length 15.3
  Top w0.3: C136.2 25.89,123.27 23.42,120.8 R129.1
  Top w0.4: J15.2 20.06,117.87 R129.1
/Audio_ADC/OVF: length 13.3
  Top w0.25: 52.56,98.1 IC3.30 53.59,98.1 v1(53.75,97.94) ; D30.2 50.17,87.58 50.85,88.27 50.9,88.27 v1(51.31,88.67)
  Bottom w0.25: v1(53.75,97.94) 51.31,95.5 v1(51.31,88.67)
/Audio_ADC/RIGHT_COLD: length 15
  Top w0.4: C132.2 26.42,81.72 26.38,81.72 25.68,82.42 23.27,82.42 22.94,82.75 21.26,82.75 20.71,83.3 JP11.2
  Top w0.5: JP11.2 20.31,84.53 J14.3
/Audio_ADC/RIGHT_HOT: length 19.7
  Top w0.3: R130.1 30.2,96.57 29.34,97.43 26.57,97.43 C131.2
  Top w0.4: J14.2 20,91.5 25.86,97.36 C131.2
/Micom_DIsplay/AMP_STBY: length 20.8
  Top w0.25: v4(91.44,44.7) 91.06,45.08 91.06,46.16 R186.1
  In1.Cu w0.25: v4(91.44,44.7) 91.44,44.2 91.57,44.07 91.57,40.89 97.59,34.87 97.59,28.47 97.79,28.27
